# KiCad board jetson-agx-thor-baseboard.kicad_pcb (continued)
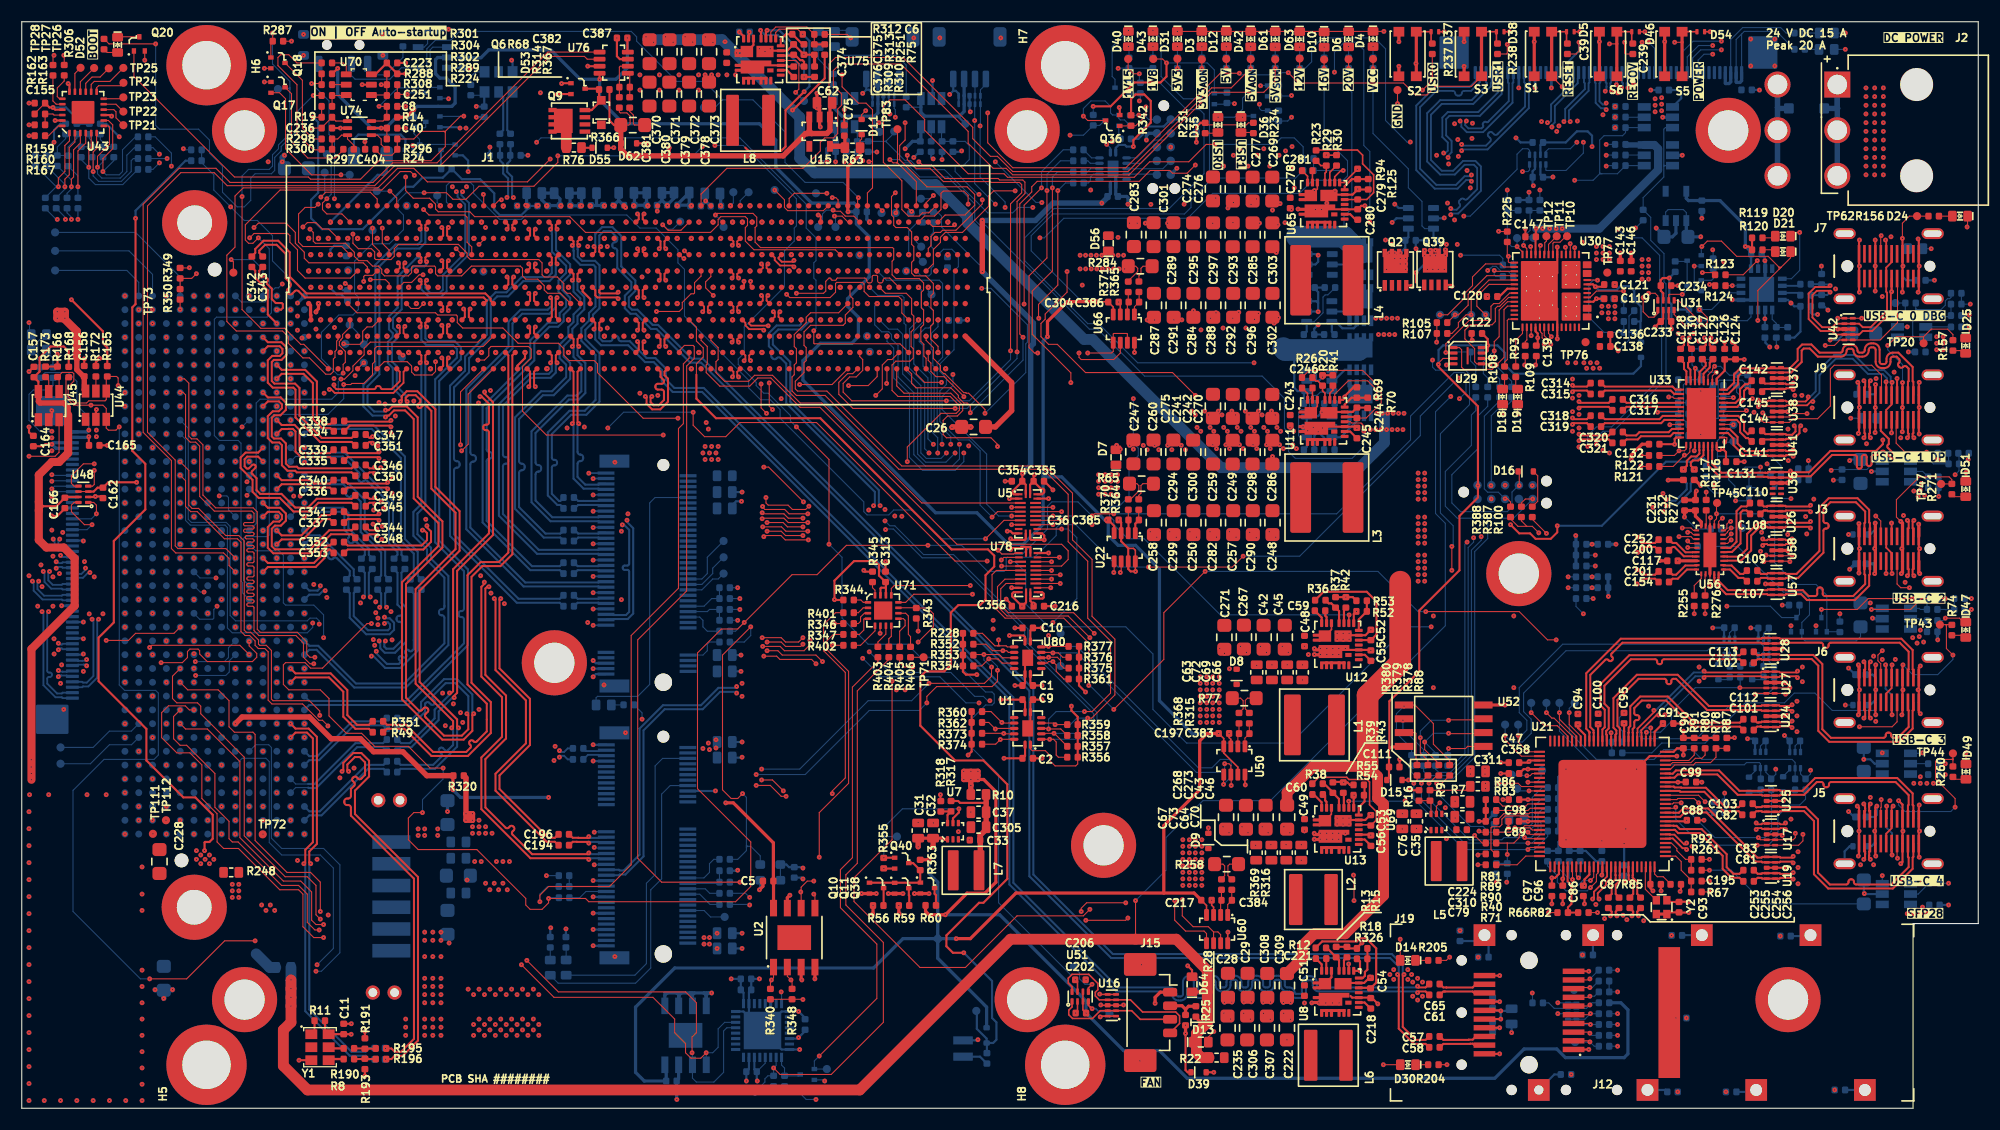
[diagram p0: board, top side]
## Routing (per net, layer and track width the routed paths; a pad name or vN(x,y) marks a point on that pad's centre or on a via; arc(x,y) is an arc through that point) (continued)
  Top w0.15: 100.67,8.48 99.29,8.48 v1(99.22,8.41) ; U66.3 101.07,74.05 v1(100.92,74.2) ; v1(149.33,99.08) D46.1 ; v1(103.02,13.21) 102.99,13.24 J15.MP1 ; v1(97.92,11.86) 97.89,11.83 C206.1 ; U60.3 109.65,18.51 109.47,18.69 v1(109.47,19.15) ; v1(111.08,34.49) 111.08,34.12 111.23,33.96 111.23,33.31 ; R20.1 119.67,67.29 v1(119.67,67.29) ; U66.8 102.37,69.56 v1(102.37,69.56) ; v1(130.87,99.08) D37.1 ; v1(110.97,16.21) 110.95,16.19 U60.8 ; 100.67,10.48 99.2,10.48 v1(99.17,10.51) ; v1(96.96,8.76) 97.13,8.93 U51.2 ; v1(143.33,99.08) D5.1 ; J15.MP2 102.9,4.39 v1(102.87,4.36) ; v1(99.27,9.51) 99.3,9.48 101.34,9.48 v1(101.37,9.51) ; U50.8 112.53,29.8 v1(112.57,29.76) ; v1(102.47,49.41) 102.45,49.43 U22.8 102.45,51.36 102.28,51.53 101.8,51.53 ; R30.1 v1(120.02,87.72) ; v1(155.33,99.08) D54.1 ; v1(136.88,99.08) D38.1
  Top w0.2: 122.25,10.33 122.39,10.19 U8.13 124.11,10.19 ; 123,25.19 124.06,25.19 v1(124.11,25.14) ; v1(174.47,75.11) 174.53,75.17 J7.B1 174.53,77.47 v1(174.57,77.51) 174.53,77.55 J7.A12 174.53,79.95 v1(174.47,80.01) ; U12.25 121.63,43.54 U12.16 123.61,43.54 v1(124.12,44.04) ; v1(131.07,68.41) 131.17,68.51 U29.4 ; R85.1 152.65,20.04 v1(152.57,19.96) ; v1(150.82,20.01) 150.8,20.03 C87.1 ; R173.1 R166.1 3.29,69.39 v1(3.27,69.41) ; U43.9 8.17,91.41 v1(8.27,91.31) ; U1.15 92.8,35.21 U1.7 92.8,37.38 C1.1 v1(93.87,37.61) ; v1(31.32,94.21) 31.32,94.21 U70.2 ; 100.87,80.16 v1(100.86,80.15) 100.87,80.14 ; v1(124.11,27.04) 123.6,26.54 121.62,26.54 121.55,26.46 ; D62.2 v1(57.47,88.81) ; D64.2 107.67,12.71 v1(107.27,13.11) ; R13.1 R15.1 122.07,14.71 R18.1 122.84,14.76 v1(123.3,15.22) ; C147.1 138.34,80.94 v1(138.32,80.96) ; 68.87,97.34 U75.16 70.42,97.34 C375.1 71.96,96.97 R313.1 72.91,96.96 R251.1 ; 75.84,90.31 C75.1 75.67,90.48 v1(75.67,91.91) ; J3.B1 174.53,51.42 v1(174.61,51.5) 174.53,51.58 J3.A12 ; v1(126.77,32.11) 126.77,31.43 C111.1 ; 120.56,25.19 120.31,24.94 ; C313.1 v1(79.47,50.31) ; J12.20 v1(135.97,5.01) ; 67.14,95.99 U75.13 70.37,95.99 70.48,95.87 C376.1 ; v1(168.92,66.81) 169.03,66.7 J9.A1 169.03,64.55 v1(169.07,64.51) 169.03,64.47 J9.B12 169.03,62.17 v1(168.97,62.11) ; Q40.2 v1(79.32,22.06) R355.1 ; C166.1 3.97,55.21 3.27,54.51 v1(2.77,54.51) ; C2.1 v1(93.87,32.21) ; C88.1 v1(154.77,26.51) ; v1(51.6,75.56) 51.6,75.18 52.3,74.48 J1.E28 ; C157.2 1.1,68.24 v1(0.67,67.81) ; v1(54.47,88.41) 54.46,88.4 D55.2 ; v1(90.97,52.41) 91.07,52.31 92.27,52.31 92.37,52.41 U5.11 ; C97.1 v1(140.77,18.81) ; v1(0.67,62.71) 0.67,62.21 0.99,61.89 C164.1 ; C10.1 v1(91.37,44.21) ; R172.1 6.82,68.66 v1(7.17,69.01) ; v1(102.47,49.41) 102.02,49.41 101.8,49.63 U22.7 101.8,51.53 101.15,52.18 U22.3 101.15,53.91 v1(100.92,54.15) ; C245.1 122.72,62.74 U11.13 119.27,62.74 119.02,62.49 ; 92.37,51.66 91.97,51.66 91.87,51.56 91.12,51.56 v1(90.97,51.41) ; 92.37,51.66 92.39,51.63 U78.12 ; 92.37,51.66 92.77,51.66 92.79,51.64 U78.11 ; C99.1 154.55,30.03 v1(154.57,30.01) ; v1(90.57,46.86) 91.09,46.34 C356.1 ; Y2.2 151.51,18.99 C93.1 152.49,19.01 v1(153.37,19.01) ; v1(174.57,66.81) 174.53,66.77 J9.A12 174.53,64.55 v1(174.57,64.51) 174.53,64.47 J9.B1 174.53,62.1 v1(174.57,62.06) ; 122.83,84.49 122.43,84.09 U65.16 120.33,84.09 U65.25 ; U44.2 6.82,64.26 v1(6.87,64.31) ; v1(46.3,69.56) 46.3,69.04 45.6,68.34 J1.A21 ; v1(2.77,64.21) 2.77,63.66 2.48,63.37 ; v1(5.77,68.97) 5.75,68.95 C156.2 ; 122.67,29.76 122.2,29.76 121.97,29.99 R43.1 121.58,30.03 121.57,30.04 120.86,30.04 ; v1(148.57,31.21) 149.77,32.41 U21.24 v1(152.27,32.41) ; 121.56,11.53 U8.16 123.5,11.53 v1(124.04,12.07) 124.09,12.02 C54.1 ; R37.1 v1(121.82,47.04) 122.46,47.04 R53.1 ; v1(54.76,98.51) 54.76,96.82 55.02,96.56 55.76,96.56 ; v1(77.47,49.51) 77.59,49.39 R345.1 ; v1(143.77,18.81) 143.77,19.43 C86.1 ; R193.1 v1(31.57,2.97) ; U5.21 v1(94.47,56.11) ; C155.1 v1(0.67,92.51) ; v1(4.27,94.31) 4.39,94.19 4.39,93.56 ; C162.1 7.31,56.31 v1(6.77,56.31) 6.72,56.26 U48.2 ; U5.13 93.87,52.91 94.07,52.71 v1(94.07,52.31) 92.87,52.31 92.77,52.41 U5.12 ; U78.21 91.08,47.9 v1(91.07,47.91) ; R16.1 127.71,29.27 v1(127.67,29.31) ; R191.1 v1(31.57,7.07) ; C122.1 133.39,70.74 v1(133.44,70.69) ; v1(30.32,7.78) 30.32,7.78 C11.1 ; v1(152.37,75.71) C234.2 ; v1(168.97,23.21) 169.03,23.27 J5.B12 169.03,25.35 v1(169.03,25.51) 169.03,25.67 J5.A1 169.03,27.65 v1(168.87,27.81) ; R70.1 123.78,64.49 C244.1 122.43,64.09 U11.16 120.33,64.09 U11.25 ; v1(141.27,79.26) 141.27,76.88 U30.59 141.27,73.58 141.27,71.11 v1(141.27,70.81) ; R41.1 R20.1 ; C126.2 v1(156.67,70.51) ; U31.2 151.02,72.64 C233.2 150.77,72.41 v1(150.27,71.91) ; C124.1 157.67,70.21 v1(157.37,70.51) ; v1(122.91,84.6) 122.95,84.56 R125.1 ; C165.1 v1(7.87,61.01) ; R318.1 84.52,28.3 v1(84.52,28.86) ; U12.27 120.57,42.19 U12.13 124.07,42.19 v1(124.12,42.14) ; v1(174.67,36.31) 174.53,36.45 J6.B1 174.53,38.45 v1(174.47,38.51) 174.53,38.57 J6.A12 174.53,40.57 v1(174.67,40.71) ; v1(94.87,56.91) 94.07,57.71 C355.1 ; v1(52.07,95.91) 52.07,95.91 U76.7 ; C236.1 v1(29.32,90.21) U74.2 ; v1(134.87,74.71) C120.1 ; v1(49.27,93.31) 49.3,93.34 Q6.2 ; J12.10 v1(144.17,12.61) ; C136.2 C138.2 146.57,70.11 146.87,69.81 v1(146.87,69.71) ; U17.8 U17.3 162.04,28.29 v1(162.07,28.31) ; v1(169.07,75.11) 169.03,75.15 J7.B12 169.03,77.47 v1(169.07,77.51) 169.03,77.55 J7.A1 169.03,79.87 v1(169.07,79.91) ; U80.15 92.3,41.21 U80.7 92.3,39.14 C9.1 v1(91.37,38.91) ; v1(123.57,83.06) 123.23,83.06 C280.1 ; v1(161.97,25.11) 161.87,25.21 U25.8 U25.3 ; J12.1 v1(144.17,5.41) ; J6.A1 169.03,38.55 v1(169.07,38.51) 169.03,38.47 J6.B12 ; v1(90.47,57.71) C354.1 ; C223.1 v1(35.32,96.21) ; Y1.3 v1(25.51,4.42) ; J12.17 v1(135.97,7.41) ; v1(174.57,23.11) 174.53,23.15 J5.B1 174.53,25.37 174.6,25.44 v1(174.6,25.51) 174.53,25.58 J5.A12 174.53,27.87 v1(174.57,27.91) ; R160.1 v1(0.67,90.51) ; C218.1 124.23,10.14 v1(124.76,9.61) ; U43.23 v1(3.07,90.91) ; 119.02,82.49 119.27,82.74 U65.13 122.72,82.74 122.83,82.63 ; v1(100.97,92.11) 101.02,92.06 Q36.2 ; v1(109.67,3.31) D39.2 ; C96.1 v1(141.77,18.81) ; J3.A1 169.03,51.55 v1(169.07,51.51) 169.03,51.47 J3.B12 ; J12.11 v1(135.97,12.21) ; v1(136.07,30.81) C358.1 ; R78.1 R80.1 C90.1 v1(152.87,34.71) ; v1(162.37,22.11) 162.34,22.14 U19.3 U19.8 ; C91.1 v1(152.67,35.41) ; C47.1 v1(136.07,31.81) ; C216.1 v1(95.07,46.21) ; U5.2 v1(90.87,56.11) ; J12.14 v1(135.97,9.81) ; C131.2 v1(158.47,59.51)
  Top w0.3: v1(154.07,56.81) 153.98,56.72 C232.2 C231.2 ; U2.7 70.43,19.38 v1(70.67,19.61) ; v1(168.97,36.21) 169.03,36.27 J6.B12 ; v1(162.52,61.06) 162.51,61.05 U41.8 ; v1(160.42,48.26) 160.43,48.25 U57.8 U57.3 ; U42.8 U42.3 v1(167.07,71.71) ; v1(148.07,59.71) 148.07,60.12 149.07,61.12 C132.2 ; U24.8 U24.3 162.34,36.09 v1(162.42,36.16) ; v1(151.47,57.81) 151.49,57.83 R117.2 ; U58.3 162.43,51.35 v1(162.47,51.31) ; v1(77.27,19.76) 77.27,19.76 Q10.2 78.62,19.76 v1(78.62,19.76) ; J15.1 104.74,10.69 104.27,10.21 v1(104.27,9.66) ; v1(82.12,19.76) 82.12,19.76 83.47,19.76 v1(83.47,19.76) ; S5.1 v1(151.15,98.16) S5.2 ; v1(73.47,90.31) 73.4,90.38 U15.2 73.4,91.91 ; v1(81.07,19.76) 81.07,19.76 79.72,19.76 v1(79.72,19.76) ; S6.4 v1(145.15,98.16) S6.3 ; v1(169.02,53.81) 169.03,53.8 J3.A1 ; S1.1 v1(139.15,98.16) S1.2 ; U56.28 U56.31 U56.13 ; R310.1 72.94,96.94 R251.1 ; S3.4 v1(132.7,95.9) ; v1(168.97,40.81) 168.97,40.71 169.03,40.65 J6.A1 ; v1(162.27,39.16) 162.25,39.18 U28.3 ; v1(73.15,92.07) 73.18,92.07 73.34,91.91 73.4,91.91 ; v1(67.87,20.11) 68.19,20.43 C5.1 ; v1(136.47,37.11) 136.46,37.12 U52.4 ; v1(162.47,57.56) 162.46,57.55 U36.3 ; U26.8 162.43,54.45 v1(162.47,54.41) ; v1(174.62,49.21) 174.53,49.3 J3.B1 ; v1(71.77,11.81) 71.7,11.88 U2.3 ; S3.3 v1(132.7,98.16) ; v1(162.52,67.16) 162.48,67.2 U37.8 ; v1(161.97,42.31) 161.94,42.28 U27.3 U27.8 ; 73.4,91.91 73.4,92.29 C62.1 v1(73.16,93.42) ; C143.2 v1(147.07,78.71) ; U38.3 162.46,64.12 v1(162.47,64.11) ; C146.2 v1(148.07,78.71) ; v1(150.67,50.41) 150.69,50.39 C117.2 ; J3.B12 169.03,49.27 v1(169.02,49.26) ; S2.4 v1(126.7,95.9) ; J3.A12 174.53,53.75 v1(174.52,53.76) ; v1(72.97,11.91) 72.97,11.92 U2.4 ; S2.3 v1(126.7,98.16)
  Top w0.5: v1(85.58,62.67) 85.62,62.71 C26.1 87.3,62.71 v1(87.32,62.69)
  Bottom w0.1: R319.2 14.97,88.21 v1(14.87,88.31) ; v1(176.97,45.11) 176.74,44.89 R270.1 ; U73.6 141.33,9.7 v1(141.32,9.71) ; v1(161.47,70.06) 161.42,70.11 C140.2 ; Q1.2 73.77,2.61 v1(73.87,2.51) ; C226.1 39.17,99.21 v1(39.27,99.31) ; 153.97,66.01 154.45,66.01 C125.2 154.55,66.11 155.07,66.11 ; 153.97,66.01 R131.2 ; 153.97,66.01 153.97,64.53 R135.2 ; D26.1 v1(167.77,98.96) ; v1(102.82,92.71) 102.91,92.8 R72.1 101.89,93.42 Q4.2 ; J4.5 138.97,57.31 v1(138.97,57.31) ; 147.87,71.51 147.87,72.91 148.35,73.39 R31.1 ; 147.87,71.51 147.87,70.71 v1(146.87,69.71) ; 147.87,71.51 147.87,71.41 R97.1 ; v1(165.57,77.51) 165.59,77.49 C150.2 ; D28.1 0.72,69.94 0.72,71.05 D29.1 0.72,71.35 0.72,72.26 v1(0.67,72.31) ; v1(167.77,37.11) D45.2 ; R307.1 v1(35.07,99.31) ; Q14.2 115.6,90.83 R233.1 116.47,90.86 v1(116.82,91.21) ; D27.1 167.76,97.45 v1(167.77,97.46) ; v1(157.67,42.31) 157.61,42.25 Q26.1 157.61,41.17 R329.2 ; Q22.2 39.22,92.96 v1(39.27,92.91) ; C237.1 100.93,89.38 Q28.2 ; v1(155.87,70.59) 155.57,70.29 R137.2 ; Q19.2 165.07,44.41 v1(165.07,44.41) ; J14.39 52.73,23.95 v1(52.67,24.01) ; R139.2 155.48,66.53 155.07,66.11 ; v1(145.77,87.71) 145.79,87.73 R179.1 ; 143.02,8.7 U73.3 141.33,8.7 v1(141.32,8.71) ; R328.2 160.75,41.14 160.75,42.09 160.97,42.31 v1(161.97,42.31) ; v1(162.77,56.11) 162.76,56.12 Q34.2 ; R272.2 160.89,58.99 v1(160.57,59.31) ; v1(159.22,65.31) 158.37,65.31 157.77,65.91 R133.2 ; v1(168.27,63.51) D22.2 ; C158.2 v1(145.77,88.71) ; v1(52.67,25.41) 52.71,25.45 J14.33 ; Q12.2 v1(153.87,77.51) 153.87,75.51 154.17,75.21 154.52,75.21 ; 155.07,66.11 155.07,65.03 R141.2 ; v1(155.57,79.01) 155.61,78.97 R286.1 ; v1(111.57,92.46) 111.51,92.52 R84.1 110.77,92.41 Q16.2 ; R129.2 154.37,61.91 v1(154.47,62.01) ; v1(146.82,12.71) R199.1 ; Q13.2 115.6,93.13 R229.1 116.78,93.17 v1(116.82,93.21) ; D41.1 73.37,99.21 74.67,99.21 D44.1 74.87,99.21 75.79,99.21 J16.MP ; v1(164.57,31.11) 164.57,30.77 R334.2 163.65,30.77 Q27.1 ; v1(52.67,22.41) 53.74,22.41 J14.45 ; v1(136.62,20.81) 136.67,20.86 R322.1 ; v1(161.37,31.21) 161.37,30.74 R335.2 160.95,30.43 160.46,30.92 Q29.1 ; R198.1 v1(146.82,6.71) ; R73.1 v1(176.97,31.71) ; v1(164.37,59.61) 164.4,59.58 R154.2 R155.2 ; R152.1 179.12,72.96 v1(179.17,73.01) ; R262.1 147.27,33.73 147.27,34.71 146.97,35.01 146.97,35.95 v1(147.41,36.39) ; C77.2 v1(176.97,30.71) ; Q15.2 162.77,44.41 v1(162.77,44.41) ; Q35.2 158.69,55.91 v1(157.67,55.91) ; D23.2 v1(175.67,79.11) ; R259.1 v1(177.27,20.71) ; R153.1 v1(179.17,71.91)
  Bottom w0.15: 53.75,56.46 52.58,56.46 v1(52.57,56.45) ; v1(52.57,51.95) 52.58,51.96 J13.27 ; v1(52.57,45.95) 52.58,45.96 J13.51 ; J13.45 52.58,47.46 v1(52.57,47.45) ; v1(52.57,57.95) 52.58,57.96 J13.3 ; 53.75,50.46 52.58,50.46 v1(52.57,50.45) ; 53.75,44.46 52.58,44.46 v1(52.57,44.45) ; 53.75,48.96 52.58,48.96 v1(52.57,48.95) ; v1(52.17,58.45) 52.18,58.46 J13.1 ; 53.75,54.96 52.58,54.96 v1(52.57,54.95) ; 53.75,53.46 52.58,53.46 v1(52.57,53.45)
  Bottom w0.2: J11.15 v1(5.67,44.75) ; v1(119.27,62.26) 119.82,61.71 C261.1 ; v1(119.27,62.26) 118.92,61.91 C38.1 ; v1(119.27,62.26) 119.22,62.26 118.87,62.61 118.32,62.61 U61.2 ; C85.1 v1(145.37,24.61) ; U61.2 U61.3 118.87,63.66 118.92,63.71 ; U61.2 118.27,62.66 118.92,62.66 ; 119.27,74.11 119.27,75.11 118.95,75.43 C264.1 C266.1 ; 119.27,74.11 119.1,74.28 U62.3 ; 119.27,74.11 v1(119.27,73.31) 119.25,73.33 U62.2 ; C151.2 167.67,71.31 167.07,70.71 v1(166.37,70.71) ; J11.30 5.63,52.25 v1(5.67,52.21) ; U6.2 126.47,81.91 126.09,81.53 v1(126.08,81.53) ; v1(52.57,39.71) 52.82,39.96 J13.75 ; C74.1 66.23,32.27 v1(66.27,32.31) ; v1(71.96,97) 71.97,97.01 R311.1 ; J14.57 52.58,19.45 v1(52.57,19.46) ; v1(52.57,16.46) 52.58,16.45 J14.69 ; C312.1 136.77,26.61 v1(136.77,25.81) ; v1(29.3,78.56) 29.43,78.43 C366.1 ; v1(119.67,67.29) 119.34,66.96 119.07,66.96 ; v1(52.57,20.96) 52.58,20.95 J14.51 ; v1(52.57,31.96) 52.58,31.95 J14.7 ; J13.71 52.82,40.96 v1(52.57,41.21) ; v1(83.79,94.59) 83.79,93.05 U55.2 ; v1(168.92,66.81) 168.92,65.84 C153.2 ; 85.7,93.64 85.94,93.64 86.2,93.38 U68.6 U68.5 ; 85.7,93.64 v1(85.37,93.31) ; 85.7,93.64 J17.1 ; v1(52.57,40.46) 52.57,40.46 J13.73 ; U14.23 66.9,3.61 C204.1 66.66,2.52 v1(66.67,2.51) ; R245.1 83.67,87.51 83.8,87.38 v1(83.85,87.38) ; C199.1 41.84,91.23 v1(41.82,91.21) ; C167.1 137.89,88.89 v1(137.47,89.31) ; U14.33 69.9,5.41 U14.16 v1(71.57,5.41) ; U14.33 66.9,8.41 U14.2 66.9,10.69 C203.1 C207.1 v1(67.87,11.91) ; U14.33 69.9,8.91 U14.9 71.47,8.91 v1(71.47,8.91) 72.07,8.31 C205.1 ; U14.33 66.4,8.91 U14.32 ; R244.1 86.39,88.03 v1(86.47,88.11) ; v1(135.97,7.41) 135.75,7.41 C171.1 ; v1(119.27,72.11) 118.91,71.75 C240.1 C262.1 ; R144.1 176.28,59.72 v1(176.27,59.71) ; v1(87.97,6.31) 87.91,6.25 BT1.2 ; J11.12 5.63,43.25 v1(5.67,43.21) ; v1(55.54,34.56) 55.53,34.55 54.53,34.55 ; C193.2 v1(66.27,56.71) ; v1(176.37,56.31) 176.35,56.33 C137.2 R146.1 ; v1(160.37,78.01) 160.37,78.31 C133.2 ; v1(75.67,87.11) 75.87,87.31 R241.1 ; C92.1 v1(147.42,24.36) ; v1(168.07,40.51) 168.67,39.91 C80.2 ; v1(54.57,13.96) 54.53,13.92 54.53,13.85 ; v1(168.07,52.81) D50.2 ; C168.1 v1(137.07,6.96) ; v1(142.07,31.21) 141.35,30.49 R325.1 R194.1 ; C106.2 168.57,26.81 v1(168.07,27.31) ; v1(128.27,79.11) 128.25,79.13 C30.1 C34.1 ; C44.2 160.42,70.88 160.42,70.46 v1(160.82,70.06) ; U49.2 139.72,85.93 C163.1 140.85,85.69 v1(140.87,85.71) ; 118.92,63.71 C263.1 ; 118.92,63.71 119.27,63.71 v1(119.62,64.06) 119.83,64.27 C265.1 ; v1(165.22,73.06) 164.77,73.06 164.6,73.23 C134.2 ; Y3.2 67.94,20.19 v1(67.87,20.11) ; R5.1 46.56,87.7 v1(46.57,87.71) ; v1(63.82,29.21) 63.81,29.2 J14.18 ; v1(82.07,87.51) 82.59,88.03 C210.2 ; U35.2 170.17,58.61 v1(170.17,58.61) ; C152.2 175.96,76.2 v1(175.97,76.21) ; R236.1 78.65,88.03 v1(78.67,88.01) ; J16.1 77.7,93.74 ; 77.7,93.74 v1(77.37,93.41) ; 77.7,93.74 77.94,93.74 78.27,93.41 U67.6 U67.5 ; v1(87.27,91.71) 87.23,91.71 87.2,91.74 U68.3 U68.8 ; U20.2 169.57,19.71 v1(169.52,19.76) 169.47,19.81 C105.2 ; Q7.2 40.24,90.29 v1(40.32,90.21) ; v1(71.87,21.11) 71.75,21.23 C189.2 ; C161.1 159.85,93.73 v1(159.87,93.71) ; C104.2 v1(177.27,18.71) ; U72.3 40.54,95.76 C225.1 41.25,95.73 v1(41.27,95.71) ; C68.2 168.27,59.71 v1(168.17,59.61) ; C198.1 v1(66.27,14.71) ; v1(78.87,90.71) 79.27,91.11 U67.3 U67.8 ; v1(75.67,91.91) 75.67,91.91 U53.2 ; v1(53.57,38.96) 53.67,38.86 J13.MP2 ; R4.1 43.05,88.44 v1(43.07,88.46) ; v1(45.07,96.46) 45.16,96.37 Y5.3 ; C170.1 v1(66.27,16.11) ; J14.1 52.58,33.45 v1(52.57,33.46) ; v1(142.07,24.71) 141.57,24.71 141.37,24.51 R58.2 R62.2 ; C78.2 v1(169.47,32.11) 170.07,32.11 170.47,31.71 U18.2 ; v1(5.67,41.81) 5.61,41.75 J11.9 ; C149.1 165.73,73.9 v1(166.17,73.46) ; J13.MP1 54.53,59.5 v1(54.57,59.46) ; Q8.2 36.32,87.71 35.97,88.06 v1(35.97,88.61) ; C160.1 v1(149.87,93.71) ; C208.2 v1(74.87,87.11) ; v1(135.97,9.81) 135.7,9.81 C180.1 ; J14.75 52.58,14.95 v1(52.57,14.96) ; 60.43,2.7 C209.1 ; U64.2 119.02,77.66 119.27,77.91 v1(119.27,78.51) 119.17,78.61 U64.3 ; C190.2 65.37,55.51 65.72,55.86 v1(66.22,55.86) ; Q37.2 40.58,87.7 41.07,87.21 v1(41.07,86.21) ; U63.3 118.87,67.91 119.07,67.71 119.07,66.96 ; C71.1 v1(66.27,33.71) ; J11.27 3.71,50.75 v1(3.57,50.89) ; v1(143.27,98.11) 143.27,97.31 142.23,96.27 J10.18 ; C191.2 v1(66.17,40.21) ; v1(173.47,71.91) U40.2 ; 119.07,66.96 U63.2 ; J5.SH 167.71,23.65 168.17,24.11 D48.2 ; v1(126.32,83.21) 126.67,82.86 U6.3 ; 60.25,0.83 v1(60.27,0.81) ; J14.63 52.58,17.95 v1(52.57,17.96) ; C192.2 v1(66.17,41.71) ; C365.1 29.57,75.29 v1(29.3,75.56)
  Bottom w0.25: v1(3.67,46.25) J11.18 ; J10.12 v1(139.23,93.91) ; J10.9 v1(137.73,93.91) ; J10.15 v1(140.73,93.91) ; J10.27 146.73,94.22 ; J10.30 148.23,94.22
  Bottom w0.3: v1(64.3,83.06) 64.3,84.13 C20.1 ; v1(100.32,88.96) 100.47,88.96 100.73,89.22 C237.1 ; J16.MP 76.36,98.61 v1(76.27,98.51) ; C229.1 v1(39.17,27.31) ; v1(168.17,49.61) 168.67,50.11 C116.2 ; v1(78,81.56) 77.75,81.81 C272.1 ; v1(157.37,74.41) 157.38,74.4 U34.13 159.09,74.4 U34.17 160.39,75.7 U34.3 160.39,77.99 v1(160.37,78.01) ; v1(82.07,98.51) 82,98.58 J16.MP ; 60.27,10.61 60.47,10.61 ; 60.27,10.61 60.43,10.45 U54.2 ; 60.27,10.61 59.37,10.61 59.16,10.41 U54.1 ; 60.47,10.61 60.67,10.61 ; 60.47,10.61 60.47,9.46 U54.2 ; C230.1 40.97,21.11 v1(40.97,21.01) ; v1(176.27,43.11) 176.24,43.14 C114.2 ; v1(48.3,83.06) 48.32,83.08 C12.1 49.51,83.69 C22.1 48.97,84.23 C7.1 47.85,83.6 C4.1 ; 146.73,94.22 v1(146.71,94.2) ; v1(170.27,45.11) 170.32,45.06 U23.2 ; v1(90.07,98.51) 90,98.58 J17.MP ; 63.17,10.61 v1(63.47,10.61) ; 63.17,10.61 62.97,10.61 ; 63.17,10.61 62.97,10.42 U54.4 ; U54.4 62.97,9.43 62.97,10.61 ; U54.4 62.97,10.41 62.77,10.61 ; 62.77,10.61 62.97,10.61 ; 62.77,10.61 61.87,10.61 ; v1(25.37,74.11) 26,74.75 J18.Y01 ; U59.15 100.65,86.22 100.65,84.12 C238.1 101.66,83.92 101.77,83.81 v1(101.77,83.21) ; v1(61.6,83.06) 61.41,83.25 C24.1 60.33,83.19 C17.1 61.44,83.12 C13.1 ; 59.16,10.61 59.17,10.61 ; 60.67,10.61 61.47,10.61 ; 60.67,10.61 60.43,10.38 U54.2 ; 61.47,10.61 61.67,10.61 ; 61.47,10.61 61.7,10.38 U54.3 ; 52.87,83.09 53.57,83.09 v1(53.6,83.06) ; 52.87,83.09 52.88,83.1 C19.1 ; 52.87,83.09 C18.1 ; v1(150.37,81.01) 151.09,80.29 C123.2 151.86,80.2 152.19,80.53 U32.2 ; 61.67,10.61 61.67,9.46 U54.3 ; 61.67,10.61 61.87,10.61 ; v1(150.97,91.21) 150.97,91.21 U47.2 ; C115.2 v1(170.07,46.51) ; C135.1 v1(154.57,81.91) ; J20.9 103.69,89.73 103.47,89.51 v1(103.47,89.11) ; 61.87,10.61 61.7,10.45 U54.3 ; J17.MP 84.4,98.58 v1(84.47,98.51) ; v1(106.27,86.51) 105.7,85.94 J20.5 ; U46.2 152.77,87.71 v1(152.77,87.71) ; 148.23,94.22 v1(148.29,94.29) ; 60.43,2.7 U54.7 ; R253.1 v1(146.67,51.91) ; C209.1 60.25,0.83 ; C148.2 v1(173.57,69.61) ; C15.1 57.48,84.23 C21.1 C23.1 56.32,84.16 56.37,84.11 C14.1 C15.1
  Bottom w0.5: 161.53,92.11 J2.4 ; 161.53,92.11 161.62,92.02 D2.2 ; 161.53,92.11 J2.6 ; C27.1 24.17,86.91 v1(23.97,87.11) 23.97,87.51 v1(24.17,87.71) ; C227.1 13.12,10.91 v1(13.87,10.91) ; C227.1 v1(13.07,10.11) ; C227.1 13.02,10.91 v1(12.27,10.91)
  vias: v1(0.67,49.01) v1(0.72,28.86) v1(0.67,27.3) v1(0.67,25.73) v1(0.67,24.17) v1(0.67,22.6) v1(0.67,21.04) v1(0.67,19.48) v1(0.67,17.91) v1(0.67,16.35) v1(0.67,14.78) v1(0.67,13.22) v1(0.67,11.66) v1(0.67,10.09) v1(0.67,8.53) v1(0.67,6.97) v1(0.67,5.4) v1(0.67,3.84) v1(0.67,2.27) v1(0.67,0.71) v1(1.47,46.21) v1(1.77,50.01) v1(1.87,48.01) v1(2.07,0.71) v1(2.48,28.86) v1(2.77,53.21) v1(2.87,50.81) v1(2.87,48.91) v1(2.87,46.21) v1(2.97,43.21) v1(2.98,41.81) v1(3.47,49.21) v1(3.57,39.11) v1(3.57,0.71) v1(3.67,40.81) v1(3.77,53) v1(3.87,36.71) v1(5.07,0.71) v1(5.67,40.21) v1(5.77,50.31) v1(6.01,28.86) v1(6.21,45.5) v1(6.57,0.71) v1(6.67,48.91) v1(7.47,45.51) v1(7.77,28.86) v1(8.07,0.71) v1(9.5,74.77) v1(9.5,70.96) v1(9.5,69.69) v1(9.5,65.88) v1(9.5,64.61) v1(9.5,60.8) v1(9.5,59.53) v1(9.5,55.72) v1(9.5,54.45) v1(9.5,50.64) v1(9.5,49.37) v1(9.5,45.56) v1(9.5,44.29) v1(9.5,40.48) v1(9.5,39.21) v1(9.5,35.4) v1(9.5,34.13) v1(9.5,30.32) v1(9.5,29.05) v1(9.5,25.24) v1(9.57,0.71) v1(10.77,73.5) v1(10.77,72.23) v1(10.77,68.42) v1(10.77,67.15) v1(10.77,63.34) v1(10.77,62.07) v1(10.77,58.26) v1(10.77,56.99) v1(10.77,53.18) v1(10.77,51.91) v1(10.77,48.1) v1(10.77,46.83) v1(10.77,43.02) v1(10.77,41.75) v1(10.77,37.94) v1(10.77,36.67) v1(10.77,32.86) v1(10.77,31.59) v1(10.77,27.78) v1(10.77,26.51) v1(11.07,22.21) v1(11.07,19.71) v1(11.07,18.21) v1(11.07,12.71) v1(11.07,11.21) v1(11.07,9.71) v1(11.07,8.21) v1(11.07,6.71) v1(11.07,5.21) v1(11.07,3.71) v1(11.07,2.21) v1(11.07,0.71) v1(12.03,73.5) v1(12.03,72.23) v1(12.03,68.42) v1(12.03,64.61) v1(12.03,60.8) v1(12.03,56.99) v1(12.03,53.18) v1(12.03,49.37) v1(12.03,45.56) v1(12.03,41.75) v1(12.03,37.94) v1(12.03,34.13) v1(12.03,30.32) v1(12.03,26.51) v1(13.31,74.77) v1(13.31,70.96) v1(13.31,69.69) v1(13.31,65.88) v1(13.31,62.07) v1(13.31,58.26) v1(13.31,54.45) v1(13.31,50.64) v1(13.31,46.83) v1(13.31,43.02) v1(13.31,39.21) v1(13.31,35.4) v1(13.31,31.59) v1(13.31,27.78) v1(13.31,25.24) v1(14.58,72.23) v1(14.58,68.42) v1(14.58,64.61) v1(14.58,60.8) v1(14.58,56.99) v1(14.58,53.18) v1(14.58,49.37) v1(14.58,45.56) v1(14.58,41.75) v1(14.58,37.94) v1(14.58,34.13) v1(14.58,30.32) v1(14.58,26.51) v1(15.84,74.77) v1(15.84,70.96) v1(15.84,69.69) v1(15.84,65.88) v1(15.84,62.07) v1(15.84,58.26) v1(15.84,54.45) v1(15.84,50.64) v1(15.84,46.83) v1(15.84,43.02) v1(15.84,39.21) v1(15.84,35.4) v1(15.84,31.59) v1(15.84,27.78) v1(15.84,25.24) v1(17.11,73.5) v1(17.11,72.23) v1(17.11,68.42) v1(17.11,64.61) v1(17.11,60.8) v1(17.11,56.99) v1(17.11,53.18) v1(17.11,49.37) v1(17.11,45.56) v1(17.11,41.75) v1(17.11,37.94) v1(17.11,34.13) v1(17.11,30.32) v1(17.11,26.51) v1(18.39,74.77) v1(18.39,70.96) v1(18.39,69.69) v1(18.39,65.88) v1(18.39,62.07) v1(18.39,58.26) v1(18.39,54.45) v1(18.39,50.64) v1(18.39,46.83) v1(18.39,43.02) v1(18.39,39.21) v1(18.39,35.4) v1(18.39,31.59) v1(18.39,27.78) v1(18.39,25.24) v1(19.66,73.5) v1(19.66,72.23) v1(19.66,68.42) v1(19.66,67.15) v1(19.66,63.34) v1(19.66,59.53) v1(19.66,55.72) v1(19.66,51.91) v1(19.66,48.1) v1(19.66,44.29) v1(19.66,40.48) v1(19.66,29.05) v1(19.66,26.51) v1(20.92,74.77) v1(20.92,70.96) v1(20.92,69.69) v1(20.92,65.88) v1(20.92,64.61) v1(20.92,60.8) v1(20.92,59.53) v1(20.92,55.72) v1(20.92,54.45) v1(20.92,50.64) v1(20.92,49.37) v1(20.92,45.56) v1(20.92,44.29) v1(20.92,40.48) v1(20.92,39.21) v1(20.92,35.4) v1(20.92,34.13) v1(20.92,30.32) v1(20.92,27.78) v1(20.92,25.24) v1(22.2,73.5) v1(22.2,72.23) v1(22.2,68.42) v1(22.2,67.15) v1(22.2,63.34) v1(22.2,62.07) v1(22.2,58.26) v1(22.2,56.99) v1(22.2,53.18) v1(22.2,51.91) v1(22.2,48.1) v1(22.2,46.83) v1(22.2,43.02) v1(22.2,41.75) v1(22.2,37.94) v1(22.2,36.67) v1(22.2,32.86) v1(22.2,31.59) v1(22.2,27.78) v1(22.2,26.51) v1(23.47,74.77) v1(23.47,70.96) v1(23.47,69.69) v1(23.47,65.88) v1(23.47,64.61) v1(23.47,60.8) v1(23.47,59.53) v1(23.47,55.72) v1(23.47,54.45) v1(23.47,50.64) v1(23.47,49.37) v1(23.47,45.56) v1(23.47,44.29) v1(23.47,40.48) v1(23.47,39.21) v1(23.47,35.4) v1(23.47,34.13) v1(23.47,30.32) v1(23.47,29.05) v1(23.47,25.24) v1(24.73,73.5) v1(24.73,72.23) v1(24.73,68.42) v1(24.73,67.15) v1(24.73,63.34) v1(24.73,62.07) v1(24.73,58.26) v1(24.73,56.99) v1(24.73,53.18) v1(24.73,51.91) v1(24.73,48.1) v1(24.73,46.83) v1(24.73,43.02) v1(24.73,41.75) v1(24.73,37.94) v1(24.73,36.67) v1(24.73,32.86) v1(24.73,31.59) v1(24.73,27.78) v1(24.73,26.51) v1(25.37,22.81) v1(25.78,70.89) v1(25.92,98.83) v1(25.92,96.91) v1(26,69.69) v1(26,65.88) v1(26,64.61) v1(26,60.8) v1(26,55.72) v1(26,54.45) v1(26,50.64) v1(26,49.37) v1(26,45.56) v1(26,44.29) v1(26,40.48) v1(26,39.21) v1(26,35.4) v1(26,34.13) v1(26,30.32) v1(26,29.05) v1(26,25.24) v1(26.02,59.46) v1(26.87,48.21) v1(27.17,22.91) v1(27.82,65.81) v1(28.07,47.01) v1(28.2,83.06) v1(28.2,80.06) v1(28.2,77.06) v1(28.2,74.06) v1(28.2,71.06) v1(28.19,17.78) v1(28.73,67.16) v1(29.3,81.56) v1(29.3,72.56) v1(29.3,69.56) v1(29.27,30.41) v1(30.57,31.31) v1(31.17,46.51) v1(31.8,83.06) v1(32,78.56) v1(32,75.56) v1(32,72.56) v1(32,69.56) v1(32.32,53.76) v1(32.37,55.06) v1(32.34,43.14) v1(32.47,42.61) v1(32.57,46.61) v1(32.57,45.61) v1(32.7,80.06) v1(32.77,60.96) v1(32.77,45.11) v1(32.77,44.51) v1(32.9,81.56) v1(33.02,58.96) v1(33.07,55.81) v1(33.12,52.36) v1(33.17,53.56) v1(33.22,98.83) v1(33.22,96.91) v1(33.27,55.21) v1(33.42,64.81) v1(33.37,59.51) v1(33.6,77.06) v1(33.6,74.06) v1(33.6,71.06) v1(33.6,68.06) v1(33.97,62.16) v1(33.97,45.71) v1(34.12,57.96) v1(34.07,56.61) v1(34.07,43.11) v1(34.24,65.16) v1(34.37,63.71) v1(35.32,8.21) v1(35.32,7.46) v1(35.32,6.71) v1(35.6,81.56) v1(35.6,78.56) v1(35.6,75.56) v1(35.6,72.56) v1(35.6,69.56) v1(36.07,65.09) v1(36.3,83.06) v1(36.3,80.06) v1(36.3,77.06) v1(36.3,74.06) v1(36.3,71.06) v1(36.3,68.06) v1(37.07,16.21) v1(37.07,15.46) v1(37.07,13.96) v1(37.07,11.96) v1(37.07,11.21) v1(37.07,10.46) v1(37.07,9.71) v1(37.07,8.21) v1(37.07,7.46) v1(37.07,6.71) v1(37.17,54.21) v1(37.6,83.06) v1(37.6,80.06) v1(37.62,77.06) v1(37.6,74.06) v1(37.6,71.06) v1(37.6,68.06) v1(37.82,16.21) v1(37.82,15.46) v1(37.82,13.96) v1(37.82,11.96) v1(37.82,11.21) v1(37.82,10.46) v1(37.82,9.71) v1(37.82,8.21) v1(37.82,7.46) v1(37.82,6.71) v1(38.3,81.56) v1(38.3,78.56) v1(38.3,75.56) v1(38.3,72.56) v1(38.3,69.56) v1(38.57,16.21) v1(38.57,15.46) v1(38.57,13.96) v1(38.57,11.96) v1(38.57,11.21) v1(38.57,10.46) v1(38.57,9.71) v1(38.57,8.21) v1(38.57,7.46) v1(38.57,6.71) v1(38.72,38.21) v1(38.97,35.21) v1(39.32,15.21) v1(39.62,84.81) v1(39.6,81.56) v1(39.6,78.56) v1(39.6,75.56) v1(39.6,72.56) v1(39.6,69.56) v1(39.71,37.22) v1(40.3,83.06) v1(40.3,80.06) v1(40.3,77.06) v1(40.31,74.07) v1(40.3,71.06) v1(40.3,68.06) v1(40.37,36.41) v1(40.57,35.51) v1(40.92,84.81) v1(41.6,83.06) v1(41.6,80.06) v1(41.61,77.06) v1(41.6,74.06) v1(41.6,71.06) v1(41.6,68.06) v1(42.02,64.91) v1(42.07,36.71) v1(42.3,81.56) v1(42.3,78.56) v1(42.3,75.56) v1(42.3,72.56) v1(42.3,69.56) v1(42.22,49.01) v1(43.12,66.06) v1(43.17,47.41) v1(43.6,81.56) v1(43.62,78.57) v1(43.6,75.56) v1(43.6,72.56) v1(43.6,69.56) v1(44.3,83.01) v1(44.3,80.06) v1(44.3,77.06) v1(44.3,74.06) v1(44.3,71.06) v1(44.3,68.06) v1(44.4,46.44) v1(45.6,83.06) v1(45.6,80.06) v1(45.6,77.06) v1(45.6,74.06) v1(45.6,71.06) v1(46.3,81.56) v1(46.3,75.56) v1(46.33,78.57) v1(46.33,72.56) v1(47.6,81.56) v1(47.6,78.56) v1(47.6,75.56) v1(47.6,72.56) v1(47.6,69.56) v1(48.3,80.06) v1(48.3,77.06) v1(48.3,74.06) v1(48.3,71.06) v1(48.34,68.08) v1(48.97,32.01) v1(49.07,33.31) v1(49.6,83.06) v1(49.6,80.06) v1(49.6,77.06) v1(49.6,74.06) v1(49.6,71.06) v1(49.6,68.06) v1(50.17,62.61) v1(50.3,81.56) v1(50.3,78.56) v1(50.3,75.56) v1(50.3,72.56) v1(50.3,69.56) v1(51.6,81.56) v1(51.6,78.56) v1(51.6,72.56) v1(51.6,69.56) v1(51.76,62.7) v1(52.07,79.31) v1(52.3,83.06) v1(52.3,80.06) v1(52.3,77.06) v1(52.3,71.06) v1(52.3,68.06) v1(53.6,80.06) v1(53.6,77.06) v1(53.6,74.06) v1(53.6,71.06) v1(53.6,68.06) v1(53.87,79.31) v1(53.87,71.81) v1(54.3,81.56) v1(54.3,78.56) v1(54.3,75.56) v1(54.3,72.56) v1(54.3,69.56) v1(55.17,53.11) v1(55.6,81.56) v1(55.6,78.56) v1(55.6,75.56) v1(55.6,72.56) v1(55.6,69.56) v1(55.77,54.71) v1(56.3,83.06) v1(56.3,80.06) v1(56.3,77.06) v1(56.3,74.06) v1(56.3,71.06) v1(56.3,68.06) v1(56.87,95.11) v1(56.87,93.71) v1(56.87,65.81) v1(57.6,83.06) v1(57.6,80.06) v1(57.6,77.06) v1(57.6,74.06) v1(57.6,71.06) v1(57.6,68.06) v1(58.3,81.56) v1(58.3,78.56) v1(58.3,75.56) v1(58.3,72.56) v1(58.3,69.56) v1(58.52,65.61) v1(58.67,95.11) v1(58.67,93.71) v1(59.6,81.56) v1(59.6,78.56) v1(59.6,75.56) v1(59.6,72.56) v1(59.6,69.56) v1(60.3,83.06) v1(60.3,80.06) v1(60.3,77.06) v1(60.3,74.06) v1(60.3,71.06) v1(60.3,68.06) v1(60.47,95.11) v1(60.47,93.71) v1(61.6,80.06) v1(61.6,77.06) v1(61.6,74.06) v1(61.6,71.06) v1(61.6,68.06) v1(62.27,95.11) v1(62.27,93.71) v1(62.3,81.56) v1(62.3,78.56) v1(62.32,75.56) v1(62.3,72.56) v1(62.3,69.56) v1(62.87,95.11) v1(63.47,95.11) v1(63.6,81.56) v1(63.62,78.56) v1(63.62,75.57) v1(63.6,72.56) v1(63.62,69.55) v1(64.07,95.11) v1(64.3,80.06) v1(64.32,77.09) v1(64.3,74.07) v1(64.3,71.06) v1(64.3,68.06) v1(64.87,95.11) v1(65.4,81.56) v1(65.4,78.56) v1(65.4,75.56) v1(65.4,72.56) v1(65.4,69.56) v1(65.67,95.11) v1(66.3,81.56) v1(66.27,39.11) v1(66.27,37.91) v1(67,83.06) v1(67,80.06) v1(67,77.06) v1(67,74.06) v1(67,71.06) v1(67,68.06) v1(67.87,97.51) v1(68.1,78.56) v1(68.1,75.56) v1(68.1,72.56) v1(68.1,69.56) v1(68.38,97.26) v1(68.87,97.51) v1(69,81.56) v1(69.7,83.06) v1(69.7,80.06) v1(69.7,77.06) v1(69.7,74.06) v1(69.7,71.06) v1(69.7,68.06) v1(70.8,78.56) v1(70.8,75.56) v1(70.8,72.56) v1(70.8,69.56) v1(71.7,81.56) v1(72.4,80.06) v1(72.4,77.06) v1(72.4,74.06) v1(72.4,71.06) v1(72.4,68.06) v1(73.5,78.56) v1(73.5,75.56) v1(73.5,72.56) v1(73.5,69.56) v1(75.1,77.06) v1(75.1,74.06) v1(75.1,71.06) v1(75.1,68.06) v1(76.2,72.56) v1(76.2,69.56) v1(77.92,55.06) v1(78.7,80.06) v1(78.9,78.56) v1(79.42,55.11) v1(79.6,77.06) v1(79.6,74.06) v1(79.8,75.56) v1(79.8,72.56) v1(79.8,69.56) v1(82.47,26.31) v1(83.87,26.26) v1(84.1,80.06) v1(84.1,77.06) v1(84.1,74.06) v1(84.1,71.06) v1(84.3,75.56) v1(84.94,82.96) v1(85,68.06) v1(85.2,81.56) v1(85.2,78.56) v1(85.2,72.56) v1(86.17,25.46) v1(87.12,60.96) v1(87.17,24.71) v1(87.32,27.26) v1(100.73,61.01) v1(101.07,60.66) v1(101.92,81.46) v1(101.93,61.01) v1(102.27,60.66) v1(102.62,81.46) v1(103.18,61.01) v1(103.37,81.46) v1(103.54,72.55) v1(103.54,60.61) v1(103.88,83.19) v1(103.82,53.06) v1(104.22,72.55) v1(104.24,61.01) v1(104.42,52.56) v1(104.61,60.61) v1(105.42,81.46) v1(105.43,61.01) v1(105.7,88.46) v1(105.62,53.06) v1(105.81,60.61) v1(106,72.56) v1(106.22,52.56) v1(106.68,61.01) v1(106.73,72.56) v1(106.94,83.21) v1(107.06,60.61) v1(107.47,53.06) v1(107.63,64.16) v1(107.8,73.4) v1(107.97,63.81) v1(108.07,52.56) v1(108.13,62.66) v1(108.49,71.64) v1(108.47,62.31) v1(108.83,64.16) v1(109.17,63.81) v1(109.32,53.06) v1(109.37,72.71) v1(109.33,62.66) v1(109.57,81.46) v1(109.58,61.06) v1(109.67,62.31) v1(109.85,83.77) v1(109.87,73.21) v1(109.92,60.71) v1(109.92,52.56) v1(110.08,64.16) v1(110.22,42.31) v1(110.42,63.81) v1(110.52,71.81) v1(110.52,25.91) v1(110.58,62.66) v1(110.6,8.76) v1(110.65,41.87) v1(110.65,9.76) v1(110.78,61.06) v1(110.92,62.31) v1(110.97,82.86) v1(111.11,40.45) v1(111.07,25.36) v1(111.12,60.71) v1(111.12,53.06) v1(111.21,8.21) v1(111.42,72.71) v1(111.33,64.16) v1(111.33,9.77) v1(111.47,83.36) v1(111.43,81.51) v1(111.67,63.81) v1(111.72,52.56) v1(111.83,62.66) v1(111.97,73.26) v1(112.03,61.06) v1(112.17,62.31) v1(112.12,42.51) v1(112.27,25.91) v1(112.37,60.71) v1(112.42,8.75) v1(112.44,9.78) v1(112.57,64.16) v1(112.62,71.81) v1(112.67,41.96) v1(112.91,63.81) v1(112.82,25.36) v1(112.97,53.01) v1(113.1,83.19) v1(113.07,62.66) v1(113.03,8.2) v1(113.12,9.79) v1(113.28,61.06) v1(113.42,72.61) v1(113.41,62.31) v1(113.52,24.21) v1(113.6,83.69) v1(113.57,52.51) v1(113.62,60.71) v1(113.62,40.76) v1(113.77,73.16) v1(113.77,64.16) v1(113.87,81.46) v1(113.97,42.51) v1(114.11,63.81) v1(114.12,25.91) v1(114.21,9.76) v1(114.27,62.66) v1(114.25,8.74) v1(114.52,61.06) v1(114.52,41.96) v1(114.61,62.31) v1(114.67,25.36) v1(114.77,53.06) v1(114.86,60.71) v1(114.92,24.26) v1(114.89,9.77) v1(114.86,8.19) v1(114.98,64.16) v1(115.02,40.81) v1(115.07,82.66) v1(115.22,72.26) v1(115.32,63.81) v1(115.37,52.56) v1(115.48,62.66) v1(115.57,81.31) v1(115.62,72.76) v1(115.77,83.26) v1(115.72,61.06) v1(115.82,62.31) v1(115.97,42.51) v1(116.06,60.71) v1(116.07,9.74) v1(116.11,8.74) v1(116.12,25.91) v1(116.22,81.51) v1(116.32,24.26) v1(116.42,40.81) v1(116.52,41.96) v1(116.68,62.66) v1(116.67,25.36) v1(116.81,82.73) v1(116.75,9.75) v1(116.72,8.19) v1(117.02,62.31) v1(116.93,61.06) v1(117.27,60.71) v1(117.42,82.76) v1(117.72,24.26) v1(117.88,62.71) v1(117.82,40.81) v1(118.01,42.52) v1(118,25.52) v1(118.01,9.69) v1(118.32,62.36) v1(118.37,41.76) v1(118.69,9.7) v1(118.82,62.66) v1(118.92,42.31) v1(118.92,41.76) v1(118.91,25.31) v1(118.91,24.76) v1(119.02,82.71) v1(119.34,9.7) v1(119.47,42.31) v1(119.47,41.76) v1(119.46,25.31) v1(119.46,24.76) v1(119.57,82.71) v1(119.67,62.61) v1(119.97,9.69) v1(120.07,83.31) v1(120.07,42.31) v1(120.07,41.76) v1(120.06,25.31) v1(120.06,24.76) v1(120.61,25.31) v1(120.61,24.76) v1(120.58,9.69) v1(120.62,42.31) v1(120.62,41.76) v1(120.82,84.41) v1(121.02,43.71) v1(121.02,43.16) v1(121.01,26.71) v1(121.01,26.16) v1(121.17,42.31) v1(121.17,41.76) v1(121.16,25.31) v1(121.16,24.76) v1(121.19,9.69) v1(121.57,43.71) v1(121.57,43.16) v1(121.56,26.71) v1(121.56,26.16) v1(121.62,29.99) v1(121.77,42.31) v1(121.76,25.31) v1(122.11,26.71) v1(122.11,26.16) v1(122.12,43.71) v1(122.12,43.16) v1(122.83,62.56) v1(125.87,12.31) v1(126.22,12.76) v1(126.22,11.86) v1(127.02,27.11) v1(127.52,12.76) v1(127.52,11.86) v1(127.87,12.31) v1(127.97,11.61) v1(127.97,10.31) v1(128.32,27.11) v1(128.42,11.96) v1(128.42,9.96) v1(128.87,11.61) v1(128.87,10.31) v1(129.87,45.31) v1(129.87,38.71) v1(130.17,87.71) v1(130.97,27.66) v1(131.07,24.81) v1(131.17,83.31) v1(131.27,86.91) v1(131.82,90.61) v1(131.82,81.76) v1(131.87,28.26) v1(131.87,26.71) v1(132.12,89.16) v1(132.17,87.61) v1(132.32,16.35) v1(132.97,86.31) v1(133.27,84.71) v1(133.27,31.26) v1(133.27,30.76) v1(133.47,90.66) v1(133.99,13.91) v1(135.2,56.08) v1(136.47,57.34) v1(137.27,45.31) v1(137.27,38.71) v1(139.82,90.81) v1(141.22,89.91) v1(141.42,90.41) v1(142.55,3.11) v1(142.67,67.11) v1(142.67,65.36) v1(142.67,64.11) v1(142.67,62.31) v1(143.12,90.86) v1(143.27,65.61) v1(143.27,63.86) v1(143.27,62.61) v1(143.27,60.86) v1(143.59,14.11) v1(144.82,18.76) v1(145.03,36.31) v1(145.47,91.44) v1(145.62,17.46) v1(146.59,92.2) v1(146.59,91.23) v1(146.59,90.26) v1(146.82,93.46) v1(147.32,17.76) v1(147.57,25.71) v1(147.67,17.36) v1(148.67,52.56) v1(148.67,51.16) v1(148.62,49.56) v1(148.62,48.26) v1(149.22,17.26) v1(149.67,37.01) v1(150.99,56.59) v1(151.07,54.91) v1(151.17,36.21) v1(151.79,15.91) v1(152.39,71.31) v1(152.35,1.51) v1(153.15,8.31) v1(153.67,24.11) v1(153.82,71.31) v1(154.29,70.61) v1(154.32,40.61) v1(154.32,39.31) v1(154.47,66.01) v1(156.79,1.51) v1(159.07,98.41) v1(159.07,95.93) v1(159.37,64.06) v1(159.97,51.26) v1(160.07,53.01) v1(161.28,98.41) v1(161.28,95.93) v1(161.79,15.85) v1(162.49,62.51) v1(162.52,59.61) v1(162.47,52.81) v1(162.77,26.61) v1(163.12,65.61) v1(163.27,67.26) v1(163.32,37.46) v1(163.32,36.11) v1(163.32,34.66) v1(163.42,23.61) v1(163.42,22.16) v1(163.42,20.66) v1(163.77,65.61) v1(163.82,40.61) v1(163.82,39.26) v1(164.07,62.41) v1(164.12,54.46) v1(164.22,52.86) v1(164.72,64.46) v1(164.87,56.06) v1(166.79,1.69) v1(166.87,75.41) v1(169.17,22.41) v1(169.72,61.16) v1(170.07,28.61) v1(170.37,41.61) v1(170.37,22.41) v1(170.6,67.16) v1(170.57,35.61) v1(171.17,74.71) v1(171.17,41.31) v1(171.87,28.31) v1(171.97,80.21) v1(172.26,67.75) v1(172.37,41.31) v1(172.87,61.71) v1(173.12,54.56) v1(173.27,48.41)
